# Altium PCB EEG_MASTER_REV2(2).PcbDoc
Units mm, origin at the board's own origin, x right, y up, seen from the top; angles counter-clockwise.
Board outline 76 x 41 mm, 2 copper layers (Top Layer, Bottom Layer); 42 components, 56 nets, 197 pads, 37 vias.
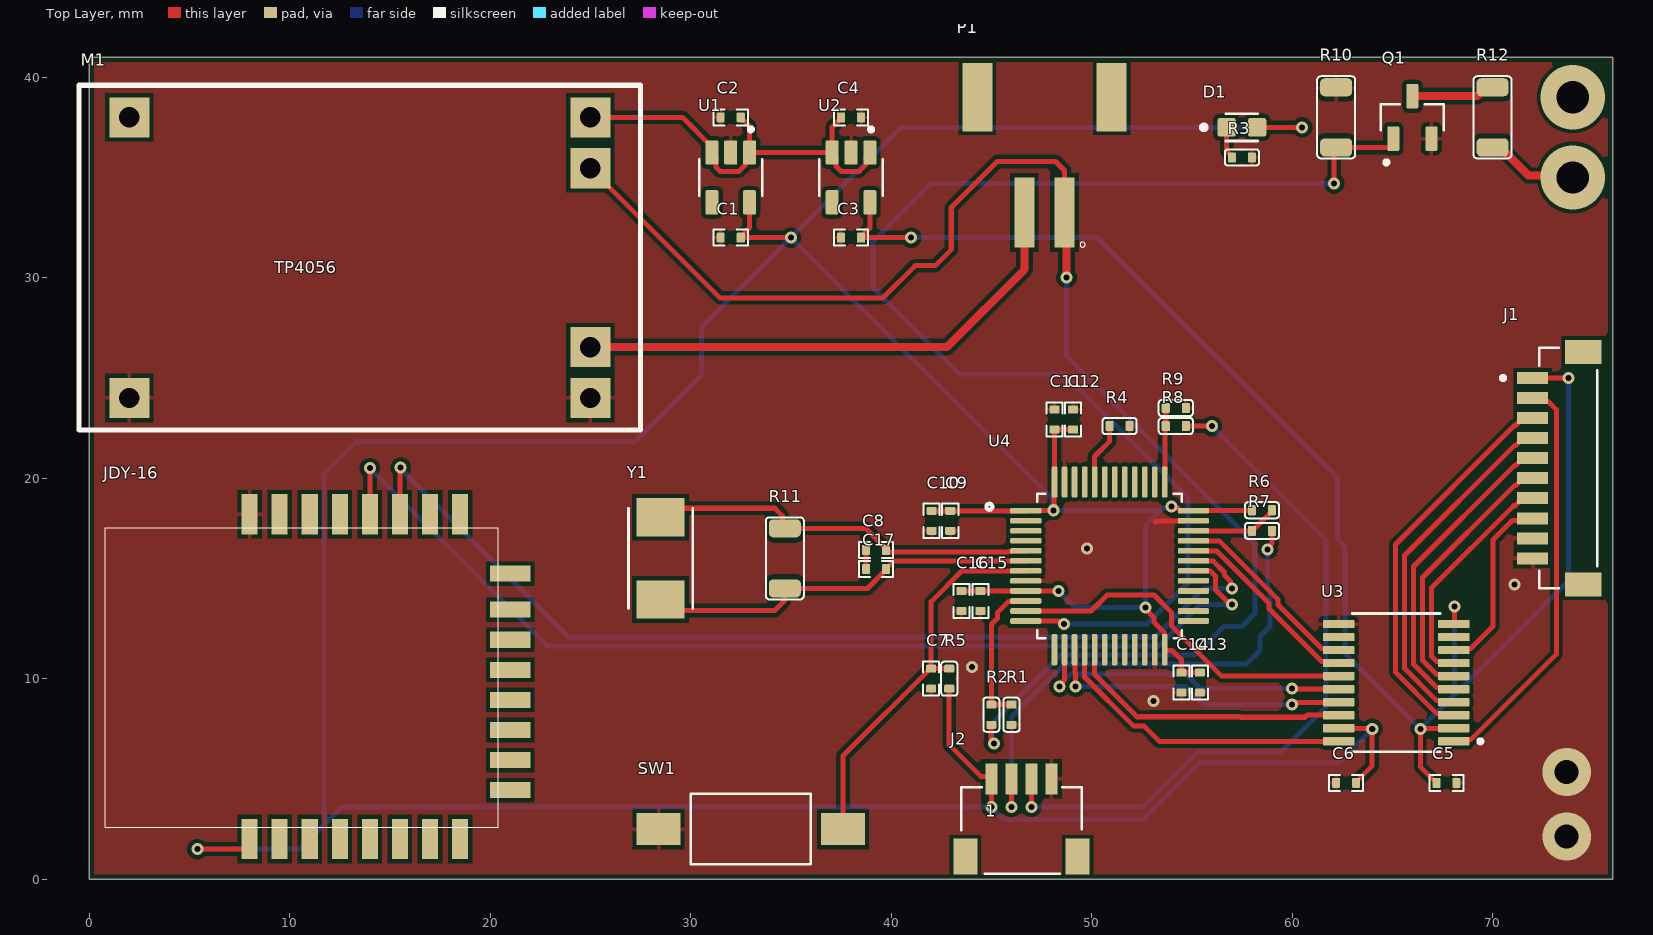
[diagram p0: Top Layer view]
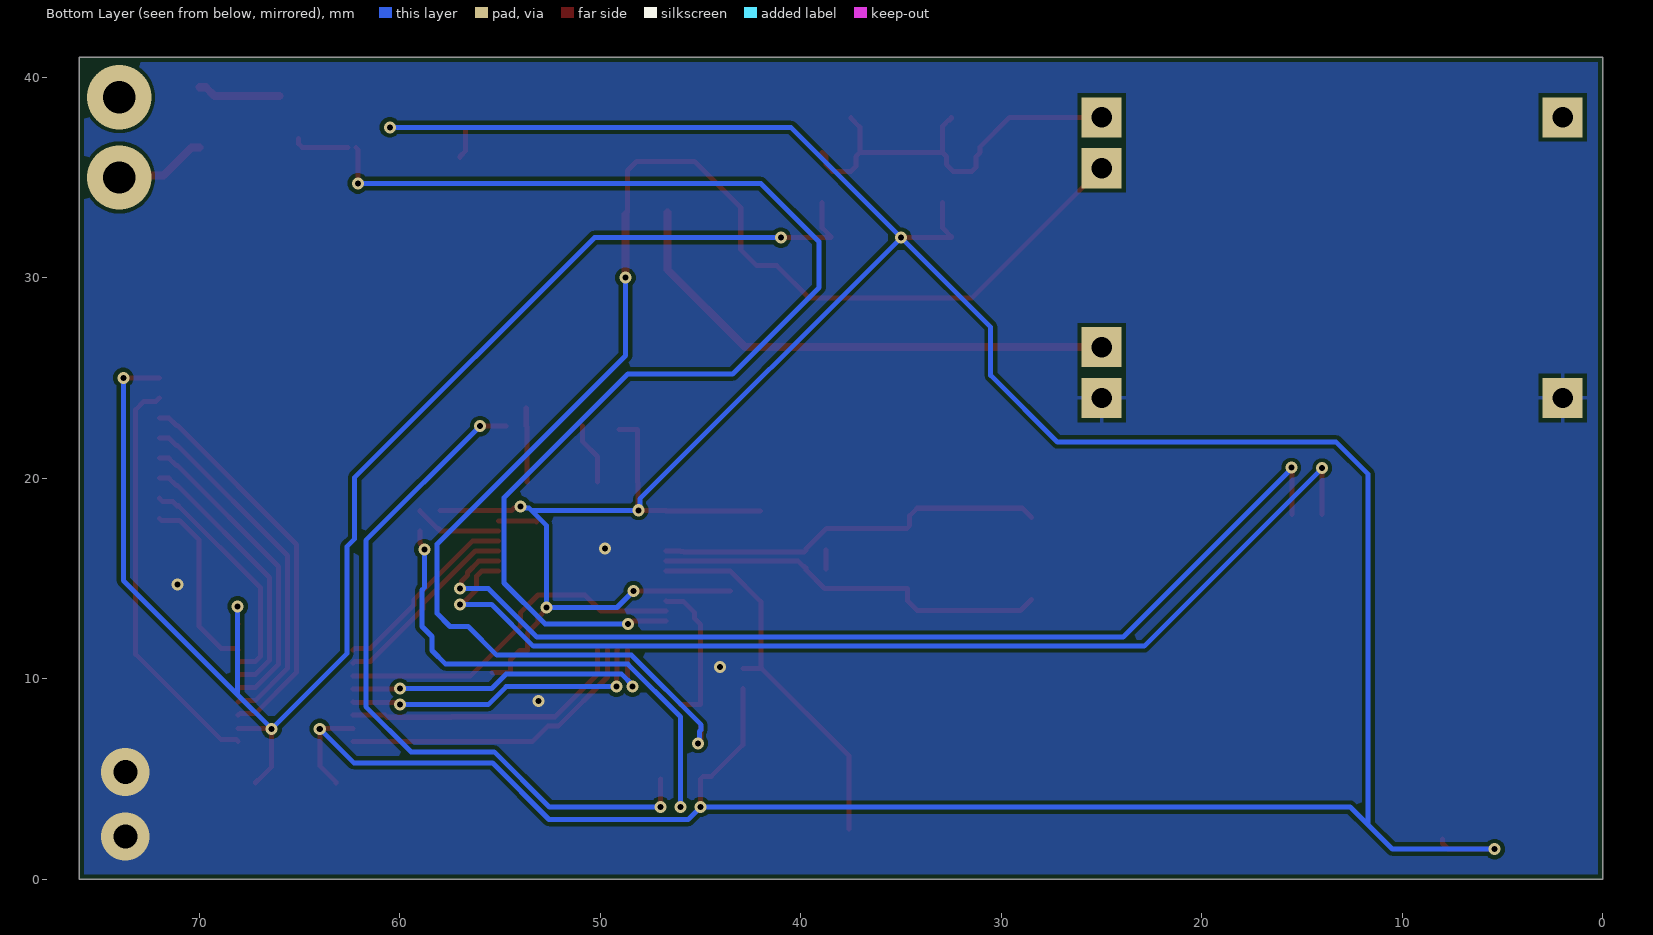
[diagram p1: Bottom Layer view, seen from below]
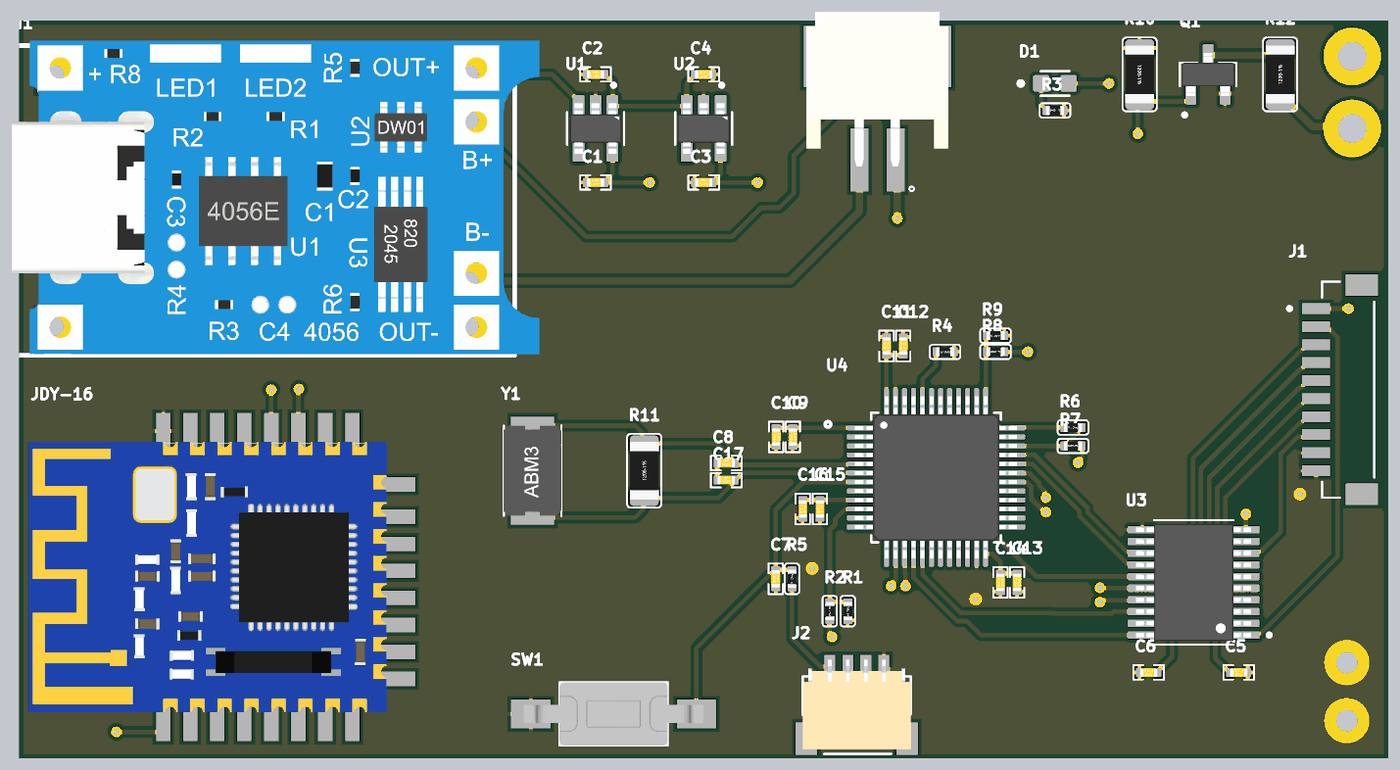
[diagram p2: 3D render of the assembled board from above, using the file's embedded part models]

## Layer stack, top to bottom
Top Solder: solder mask 0.0102, Solder Resist, Dk 3.5
Top Layer: signal copper 0.0356
Dielectric 1: dielectric 0.32, FR-4, Dk 4.8
Bottom Layer: signal copper 0.0356
Bottom Solder: solder mask 0.0102, Solder Resist, Dk 3.5

## Board outline
0,0 0,41 76,41 76,0

## Design rules (kind name [scope] priority, off if disabled: settings)
AcuteAngle [All] p1: minimum=3.50000000000000E+0001 checktracksonly=FALSE
BoardOutlineClearance "BoardOutlineClearance 1" [All] p1: gap=0.25 ignorepadtopadclearanceinfootprint=FALSE except(0: Arc-SplitContinuation Track-SplitContinuation SMDPad-SplitContinuation THPad-SplitContinuation Via-SplitContinuation Fill-SplitContinuation Poly-SplitContinuation Region-SplitContinuation Text-SplitContinuation) // Milling
BoardOutlineClearance "BoardOutlineClearance 2" [All] p2: gap=0.4 ignorepadtopadclearanceinfootprint=FALSE except(0: Arc-SplitContinuation Track-SplitContinuation SMDPad-SplitContinuation THPad-SplitContinuation Via-SplitContinuation Fill-SplitContinuation Poly-SplitContinuation Region-SplitContinuation Text-SplitContinuation) // V-Cut
Clearance "Clearance-1 1 Oz" [All] p1: gap=0.2 ignorepadtopadclearanceinfootprint=FALSE except(0.25: Arc-Hole Track-Hole SMDPad-Hole THPad-Hole Via-Hole Fill-Hole Poly-Hole Region-Hole Text-Hole) // Standart
Clearance "Clearance 3 Oz" [All] p2: gap=0.35 ignorepadtopadclearanceinfootprint=FALSE except(0.25: Arc-Hole Track-Hole SMDPad-Hole THPad-Hole Via-Hole Fill-Hole Poly-Hole Region-Hole Text-Hole)
Clearance "Clearance 2 Oz" [All] p3: gap=0.3 ignorepadtopadclearanceinfootprint=FALSE except(0.25: Arc-Hole Track-Hole SMDPad-Hole THPad-Hole Via-Hole Fill-Hole Poly-Hole Region-Hole Text-Hole)
Clearance "Clearance-2 1 Oz" [All] p4: gap=0.15 ignorepadtopadclearanceinfootprint=FALSE except(0.2: Arc-Fill Arc-Poly Track-Fill Track-Poly SMDPad-Fill SMDPad-Poly THPad-Fill THPad-Poly Via-Fill Via-Poly Fill-Fill Fill-Poly Poly-Poly; 0.25: Arc-Hole Track-Hole SMDPad-Hole THPad-Hole Via-Hole Fill-Hole Poly-Hole Region-Hole Text-Hole) // Advance
Clearance "Clearance-1 1/2 Oz" [All] p5: gap=0.125 ignorepadtopadclearanceinfootprint=FALSE except(0.2: Arc-Fill Arc-Poly Track-Fill Track-Poly SMDPad-SMDPad SMDPad-Fill SMDPad-Poly THPad-Fill THPad-Poly Via-Fill Via-Poly Fill-Fill Fill-Poly Poly-Poly Poly-Region Poly-Text; 0.25: Arc-Hole Track-Hole SMDPad-Hole THPad-Hole Via-Hole Fill-Hole Poly-Hole Region-Hole Text-Hole) // Standart
Clearance "Clearance-2 1/2 Oz" [All] p6: gap=0.1 ignorepadtopadclearanceinfootprint=FALSE except(0.15: Arc-Fill Arc-Poly Track-Fill Track-Poly SMDPad-SMDPad SMDPad-Fill SMDPad-Poly THPad-Fill THPad-Poly Via-Fill Via-Poly Fill-Fill Fill-Poly Poly-Poly Poly-Region Poly-Text; 0.25: Arc-Hole Track-Hole SMDPad-Hole THPad-Hole Via-Hole Fill-Hole Poly-Hole Region-Hole Text-Hole) // Advance
DiffPairsRouting "DiffPairsRouting 1 Oz" [All] p1: maxlimit=0.254 minlimit=0.2 mostfreqgap=0.254 toplayer_minwidth=0.2 toplayer_maxwidth=0.381 toplayer_prefwidth=0.381 bottomlayer_minwidth=0.2 bottomlayer_maxwidth=0.381 bottomlayer_prefwidth=0.381 maxuncoupledlength=12.7
DiffPairsRouting "DiffPairsRouting 1/2 Oz" [All] p2: maxlimit=0.254 minlimit=0.1 mostfreqgap=0.254 toplayer_minwidth=0.1 toplayer_maxwidth=0.381 toplayer_prefwidth=0.381 bottomlayer_minwidth=0.1 bottomlayer_maxwidth=0.381 bottomlayer_prefwidth=0.381 maxuncoupledlength=12.7
HoleSize "Minimum HoleSize" [IsPad] p1: absolutevalues=TRUE maxlimit=5.9 minlimit=0.6 maxpercent=80.000 minpercent=20.000
HoleSize "Minimum HoleSize VIA 1" [IsVia] p2: absolutevalues=TRUE maxlimit=5.9 minlimit=0.3 maxpercent=80.000 minpercent=20.000 // Standart
HoleSize "Minimum HoleSize VIA 2" [IsVia] p3: absolutevalues=TRUE maxlimit=5.9 minlimit=0.2 maxpercent=80.000 minpercent=20.000 // Advance
HoleToHoleClearance Hole2HoleClearance [All] p1: gap=0.25 allowstackedmicrovias=FALSE
MinimumAnnularRing "Minimum AR VIA Standart" [IsVia] p1: minimumring=0.15
MinimumAnnularRing "Minimum AR PAD Standart" [IsPAD] p2: minimumring=0.2
MinimumAnnularRing "Minimum AR VIA Advance" [IsVia] p3: minimumring=0.1
MinimumAnnularRing "Minimum AR PAD Advance" [IsPAD] p4: minimumring=0.15
MinimumSolderMaskSliver "SolderMask Bridge Standart" [All] p1: minsoldermaskwidth=0.15 // All Masks
MinimumSolderMaskSliver "SolderMask Bridge Advance" [All] p2: minsoldermaskwidth=0.1 // Mask LDI
PlaneClearance "PlaneClearance 3 Oz" [All] p1: clearance=0.35
PlaneClearance "PlaneClearance 2 Oz" [All] p2: clearance=0.3
PlaneClearance "PlaneClearance 1 Oz" [All] p3: clearance=0.2
PlaneClearance "PlaneClearance-1 1/2 Oz" [All] p4: clearance=0.2 // Standart
PlaneClearance "PlaneClearance-2 1/2 Oz" [All] p5: clearance=0.15 // Advance
PlaneConnect "TermalConnect 3 Oz" [All] p1: planeconnectstyle=Relief reliefexpansion=0.2 reliefentries=4 reliefconductorwidth=0.35 reliefairgap=0.35 // Standart
PlaneConnect "TermalConnect 2 Oz" [All] p2: planeconnectstyle=Relief reliefexpansion=0.2 reliefentries=4 reliefconductorwidth=0.3 reliefairgap=0.3 // Standart
PlaneConnect "TermalConnect-1 1 Oz" [All] p3: planeconnectstyle=Relief reliefexpansion=0.2 reliefentries=4 reliefconductorwidth=0.2 reliefairgap=0.2 // Standart
PlaneConnect "TermalConnect-2 1 Oz" [All] p4: pad.planeconnectstyle=Relief pad.reliefexpansion=0.15 pad.reliefentries=4 pad.reliefconductorwidth=0.2 pad.reliefairgap=0.2 via.planeconnectstyle=Direct via.reliefexpansion=0.15 via.reliefentries=4 via.reliefconductorwidth=0.15 via.reliefairgap=0.15 // Advance
PlaneConnect "TermalConnect-1 1/2 Oz" [All] p5: planeconnectstyle=Relief reliefexpansion=0.2 reliefentries=4 reliefconductorwidth=0.2 reliefairgap=0.2 // Standart
PlaneConnect "TermalConnect-2 1/2 Oz" [All] p6: pad.planeconnectstyle=Relief pad.reliefexpansion=0.15 pad.reliefentries=4 pad.reliefconductorwidth=0.15 pad.reliefairgap=0.15 via.planeconnectstyle=Direct via.reliefexpansion=0.15 via.reliefentries=4 via.reliefconductorwidth=0.15 via.reliefairgap=0.15 // Advance
PolygonConnect "PolygonConnect-1 1 Oz" [All] p1: thpad.connectstyle=Relief thpad.reliefconductorwidth=0.2 thpad.reliefentries=4 thpad.polygonreliefangle="90 Angle" thpad.airgapwidth=0.2 smdpad.connectstyle=Relief smdpad.reliefconductorwidth=0.2 smdpad.reliefentries=4 smdpad.polygonreliefangle="90 Angle" smdpad.airgapwidth=0.2 via.connectstyle=Direct via.reliefconductorwidth=0.254 via.reliefentries=4 via.polygonreliefangle="90 Angle" via.airgapwidth=0.254 // Standart
PolygonConnect "PolygonConnect 3 Oz" [All] p2: thpad.connectstyle=Relief thpad.reliefconductorwidth=0.35 thpad.reliefentries=4 thpad.polygonreliefangle="90 Angle" thpad.airgapwidth=0.35 smdpad.connectstyle=Relief smdpad.reliefconductorwidth=0.35 smdpad.reliefentries=4 smdpad.polygonreliefangle="90 Angle" smdpad.airgapwidth=0.35 via.connectstyle=Direct via.reliefconductorwidth=0.254 via.reliefentries=4 via.polygonreliefangle="90 Angle" via.airgapwidth=0.254
PolygonConnect "PolygonConnect 2 Oz" [All] p3: thpad.connectstyle=Relief thpad.reliefconductorwidth=0.3 thpad.reliefentries=4 thpad.polygonreliefangle="90 Angle" thpad.airgapwidth=0.3 smdpad.connectstyle=Relief smdpad.reliefconductorwidth=0.3 smdpad.reliefentries=4 smdpad.polygonreliefangle="90 Angle" smdpad.airgapwidth=0.3 via.connectstyle=Direct via.reliefconductorwidth=0.254 via.reliefentries=4 via.polygonreliefangle="90 Angle" via.airgapwidth=0.254
PolygonConnect "PolygonConnect-2 1 Oz" [All] p4: thpad.connectstyle=Relief thpad.reliefconductorwidth=0.15 thpad.reliefentries=4 thpad.polygonreliefangle="90 Angle" thpad.airgapwidth=0.15 smdpad.connectstyle=Relief smdpad.reliefconductorwidth=0.15 smdpad.reliefentries=4 smdpad.polygonreliefangle="90 Angle" smdpad.airgapwidth=0.15 via.connectstyle=Direct via.reliefconductorwidth=0.254 via.reliefentries=4 via.polygonreliefangle="90 Angle" via.airgapwidth=0.254 // Advance
PolygonConnect "PolygonConnect-1 1/2 Oz" [All] p5: thpad.connectstyle=Relief thpad.reliefconductorwidth=0.15 thpad.reliefentries=4 thpad.polygonreliefangle="90 Angle" thpad.airgapwidth=0.2 smdpad.connectstyle=Relief smdpad.reliefconductorwidth=0.2 smdpad.reliefentries=4 smdpad.polygonreliefangle="90 Angle" smdpad.airgapwidth=0.2 via.connectstyle=Direct via.reliefconductorwidth=0.254 via.reliefentries=4 via.polygonreliefangle="90 Angle" via.airgapwidth=0.254 // Standart
PolygonConnect "PolygonConnect-2 1/2 Oz" [All] p6: thpad.connectstyle=Relief thpad.reliefconductorwidth=0.125 thpad.reliefentries=4 thpad.polygonreliefangle="90 Angle" thpad.airgapwidth=0.15 smdpad.connectstyle=Relief smdpad.reliefconductorwidth=0.125 smdpad.reliefentries=4 smdpad.polygonreliefangle="90 Angle" smdpad.airgapwidth=0.15 via.connectstyle=Direct via.reliefconductorwidth=0.254 via.reliefentries=4 via.polygonreliefangle="90 Angle" via.airgapwidth=0.254 // Advance
RoutingCorners [All] p1 off: cornerstyle=45-Degree minsetback=2.54 maxsetback=2.54
RoutingVias [All] p1: holewidth=0.3 width=0.6 viastyle="Through Hole" minholewidth=0.2 minwidth=0.4 maxholewidth=5.9 maxwidth=6.4
SilkToSilkClearance Silk2SilkClearance [All] p1 off: silktosilkclearance=0.15
SilkToSolderMaskClearance Silk2SolderMaskClearance [IsPad] p1 off: minsilkscreentomaskgap=0.15 clearancetoexposedcopper=TRUE
SolderMaskExpansion SolderMaskExpansion-1 [All] p1: expansion=0.05 istentingtop=FALSE // Standart
SolderMaskExpansion "SolderMaskExpansion LDI" [All] p2: expansion=0.025 istentingtop=FALSE // Advance
UnRoutedNet [All] p1: checkbadconnections=TRUE
Width "Width 2 Oz" [All] p1: maxlimit=10 minlimit=0.25 preferedwidth=0.25 minimp=50.000000 maximp=50.000000 favimp=50.000000 checkconnectedcopper=TRUE
Width "Width 3 Oz" [All] p2: maxlimit=10 minlimit=0.35 preferedwidth=0.4 checkconnectedcopper=TRUE
Width "Width 1 Oz" [All] p3: maxlimit=10 minlimit=0.15 preferedwidth=0.2 checkconnectedcopper=TRUE
Width "Width 1/2 Oz" [All] p4: maxlimit=10 minlimit=0.1 preferedwidth=0.125 checkconnectedcopper=TRUE
20 further rules are at their usual default settings.

## Classes and differential pairs
component class U_STM32: C5 C6 C7 C8 C9 C10 C11 C12 C13 C14 C15 C16 C17 D1 JDY-16 Q1 R3 R4 R5 R6 R7 R8 R9 R10 R11 R12 SW1 U3 U4 Y1
component class U_Power: C1 C2 C3 C4 M1 P1 R1 R2 U1 U2
component class U_Connectors: J1 J2

## Components (designator, comment, footprint, x,y, rotation, side; value= is the part's Value field where it differs from the comment)
C1 "1uF" "C 0402(1005)x0.5" 32,32 r0 top
C2 "1uF" "C 0402(1005)x0.5" 32,38 r0 top
C3 "1uF" "C 0402(1005)x0.5" 38,32 r0 top
C4 "1uF" "C 0402(1005)x0.5" 38,38 r180 top
C5 "7pF" "C 0402(1005)x0.5" 67.7,4.8 r180 top
C6 "6pF" "C 0402(1005)x0.5" 62.7,4.8 r180 top
C7 "1uF" "C 0402(1005)x0.5" 42,10 r270 top
C8 "20pF" "C 0402(1005)x0.5" 39.25,16.425 r0 top
C9 "0.1uF" "C 0402(1005)x0.5" 42.95,17.875 r270 top
C10 "1uF" "C 0402(1005)x0.5" 42.025,17.875 r270 top
C11 "0.1uF" "C 0402(1005)x0.5" 48.15,22.925 r90 top
C12 "1uF" "C 0402(1005)x0.5" 49.075,22.925 r90 top
C13 "0.1uF" "C 0402(1005)x0.5" 55.4,9.8 r270 top
C14 "1uF" "C 0402(1005)x0.5" 54.475,9.8 r270 top
C15 "0.1uF" "C 0402(1005)x0.5" 44.45,13.875 r270 top
C16 "1uF" "C 0402(1005)x0.5" 43.5,13.875 r270 top
C17 "20pF" "C 0402(1005)x0.5" 39.25,15.475 r0 top
D1 "0603" LEDC1608X65N 57.5,37.5 r0 top
J1 "BM10B-SRSS-TB(LF)(SN)" JST_BM10B-SRSS-TB(LF)(SN) 74.525,20.5 r270 top
J2 "665104131822" 665104131822 46.5,5 r0 top
JDY-16 "JDY-16" JDY-16 20.4,17.54 r180 top
M1 "TP4056Module" TP4056Module -0.5,22.4 r0 top
P1 "S2B-PH-SM4-TB" JST_S2B-PH-SM4-TB 47.65,33.25 r0 top
Q1 "BSS138" SOT95P240X111-3N 66,38 r90 top
R1 "100KOm" "R 0402(1005)-1%" 46,8.2 r270 top
R2 "33KOm" "R 0402(1005)-1%" 45,8.2 r90 top
R3 "2KOm" "R 0402(1005)-1%" 57.5,36 r0 top
R4 "100KOm" "R 0402(1005)-1%" 51.4,22.6 r180 top
R5 "10KOm" "R 0402(1005)-1%" 42.9,10 r270 top
R6 "10KOm" "R 0402(1005)-1%" 58.5,18.4 r180 top
R7 "20Om" "R 0402(1005)-1%" 58.5,17.375 r0 top
R8 "20Om" "R 0402(1005)-1%" 54.2,22.6 r0 top
R9 "10KOm" "R 0402(1005)-1%" 54.2,23.5 r180 top
R10 "?" "R 1206(3216)-1%" 62.2,38 r270 top
R11 "1MOm" "R 1206(3216)-1%" 34.7,16 r90 top
R12 "?" "R 1206(3216)-1%" 70,38 r90 top
SW1 "Button" SW_1437566-3 33,2.5 r0 top
U1 "RT9013-33GB" SOT94P279X129-5N 32,35 r270 top
U2 "RT9013-18GB" SOT94P279X129-5N 38,35 r270 top
U3 "TXS0108EPWR" SOP65P640X120-20N 65.2,9.8 r180 top
U4 "STM32F103C8T6" QFP50P900X900X160-48N 50.9,15.625 r0 top
Y1 "ABM3-8.000MHZ" XTAL_ABM3-8.000MHZ-D2Y 28.5,16 r90 top

## Footprints (in the part's own frame and the unit in brackets; to place one, negate y for a bottom-side part, rotate by r counter-clockwise, add the part's x,y. Pads: shape width x height; smd on the part's side, far side on the other; paste and mask are expansions set on the pad)
665104131822 [mm]
  rect 0.6x1.55 smd: 1(-1.5,0) 2(-0.5,0) 3(0.5,0) 4(1.5,0)
  rect 1.2x1.8 smd: Z1(-2.8,-3.875) Z2(2.8,-3.875)
  silkscreen extent -3,-4.73 3,-0.43, body extent -3,-4.46 3,0.54, height 3.07
"C 0402(1005)x0.5" [mm]
  rrect25% 0.4x0.5 smd mask+0.102: 1(-0.5,0) 2(0.5,0)
  silkscreen extent -0.85,-0.4 0.85,0.4, body extent -0.5,-0.25 0.5,0.25, height 0.51
JDY-16 [mm] "JDY16"
  rect 0.8x2 smd: 1(12.4,15.54) 2(10.9,15.54) 3(9.4,15.54) 4(7.9,15.54) 5(6.4,15.54) 6(4.9,15.54) 7(3.4,15.54) 8(1.9,15.54) 17(1.9,-0.66) 18(3.4,-0.66) 19(4.9,-0.66) 20(6.4,-0.66) 21(7.9,-0.66) 22(9.4,-0.66) 23(10.9,-0.66) 24(12.4,-0.66)
  rect 2x0.8 smd: 9(-0.6,13.1) 10(-0.6,11.6) 11(-0.6,10.1) 12(-0.6,8.6) 13(-0.6,7.1) 14(-0.6,5.6) 15(-0.6,4.1) 16(-0.6,2.3)
  silkscreen extent 0,0 19.6,14.94, body extent 0,-0.07 19.89,14.94, height 2.08
JST_BM10B-SRSS-TB(LF)(SN) [mm]
  rect 0.6x1.55 smd: 1(-4.5,-2.525) 2(-3.5,-2.525) 3(-2.5,-2.525) 4(-1.5,-2.525) 5(-0.5,-2.525) 6(0.5,-2.525) 7(1.5,-2.525) 8(2.5,-2.525) 9(3.5,-2.525) 10(4.5,-2.525)
  rect 1.2x1.8 smd: S1(-5.8,0) S2(5.8,0)
  silkscreen extent -6,-4.1 6,0.7
JST_S2B-PH-SM4-TB [mm]
  rect 1x3.5 smd: 1(1,0) 2(-1,0)
  rect 1.5x3.4 smd: P1(3.35,5.75) P2(-3.35,5.75)
  silkscreen extent 1.77,-1.73 2.03,-1.47, body extent -3.96,-0.36 3.94,8.24, height 5.5
LEDC1608X65N [mm]
  rrect25% 0.91x0.93 smd: A(0.76,0) C(-0.76,0)
  silkscreen extent -2.02,-0.68 0.8,0.68
QFP50P900X900X160-48N [mm]
  rrect50% 1.56x0.28 smd: 1(-4.18,2.75) 2(-4.18,2.25) 3(-4.18,1.75) 4(-4.18,1.25) 5(-4.18,0.75) 6(-4.18,0.25) 7(-4.18,-0.25) 8(-4.18,-0.75) 9(-4.18,-1.25) 10(-4.18,-1.75) 11(-4.18,-2.25) 12(-4.18,-2.75) 25(4.18,-2.75) 26(4.18,-2.25) 27(4.18,-1.75) 28(4.18,-1.25) 29(4.18,-0.75) 30(4.18,-0.25) 31(4.18,0.25) 32(4.18,0.75) 33(4.18,1.25) 34(4.18,1.75) 35(4.18,2.25) 36(4.18,2.75)
  rrect50% 0.28x1.56 smd: 13(-2.75,-4.18) 14(-2.25,-4.18) 15(-1.75,-4.18) 16(-1.25,-4.18) 17(-0.75,-4.18) 18(-0.25,-4.18) 19(0.25,-4.18) 20(0.75,-4.18) 21(1.25,-4.18) 22(1.75,-4.18) 23(2.25,-4.18) 24(2.75,-4.18) 37(2.75,4.18) 38(2.25,4.18) 39(1.75,4.18) 40(1.25,4.18) 41(0.75,4.18) 42(0.25,4.18) 43(-0.25,4.18) 44(-0.75,4.18) 45(-1.25,4.18) 46(-1.75,4.18) 47(-2.25,4.18) 48(-2.75,4.18)
  silkscreen extent -6.15,-3.6 3.6,3.6, body extent -4.5,-4.5 4.5,4.5, height 1.6
"R 0402(1005)-1%" [mm]
  rrect25% 0.4x0.5 smd mask+0.102: 1(-0.5,0) 2(0.5,0)
  silkscreen extent -0.85,-0.4 0.85,0.4, body extent -0.5,-0.25 0.5,0.25, height 0.19
"R 1206(3216)-1%" [mm]
  rrect50% 0.9x1.6 smd mask+0.102: 1(-1.5,0) 2(1.5,0)
  silkscreen extent -2.05,-0.95 2.05,0.95, body extent -1.6,-0.8 1.6,0.8, height 0.6
SOP65P640X120-20N [mm]
  rrect25% 1.57x0.41 smd: 1(-2.87,2.925) 2(-2.87,2.275) 3(-2.87,1.625) 4(-2.87,0.975) 5(-2.87,0.325) 6(-2.87,-0.325) 7(-2.87,-0.975) 8(-2.87,-1.625) 9(-2.87,-2.275) 10(-2.87,-2.925) 11(2.87,-2.925) 12(2.87,-2.275) 13(2.87,-1.625) 14(2.87,-0.975) 15(2.87,-0.325) 16(2.87,0.325) 17(2.87,0.975) 18(2.87,1.625) 19(2.87,2.275) 20(2.87,2.925)
  silkscreen extent -4.29,-3.45 2.2,3.45, body extent -3.2,-3.25 3.2,3.25, height 1.2
SOT94P279X129-5N [mm]
  rrect25% 1.22x0.65 smd: 1(-1.245,0.94) 2(-1.245,0) 3(-1.245,-0.94) 4(1.245,-0.94) 5(1.245,0.94)
  silkscreen extent -2.5,-1.58 0.9,1.58, body extent -1.4,-1.45 1.4,1.45, height 1.3
SOT95P240X111-3N [mm]
  rrect25% 1.23x0.6 smd: 1(-1.06,0.95) 2(-1.06,-0.95) 3(1.06,0)
  silkscreen extent -2.35,-1.57 0.65,1.57, body extent -1.2,-1.46 1.2,1.46, height 1.18
SW_1437566-3 [mm]
  rect 2.18x1.6 smd: 1(-4.6,0) 2(4.6,0)
  silkscreen extent -3,-1.75 3,1.75, body extent -4.98,-1.75 4.98,1.75, height 4.39
TP4056Module [mm]
  rect 2x2 hole 1.016: 1(2.5,15.6) 2(2.5,1.6) 3(25.5,15.6) 4(25.5,13.06) 5(25.5,4.14) 6(25.5,1.6)
  silkscreen extent 0,0 28,17.2, body extent 0.09,0.06 29.39,17.46, height 4.14
XTAL_ABM3-8.000MHZ-D2Y [mm]
  rect 1.9x2.4 smd: 1(-2.05,0) 2(2.05,0)
  silkscreen extent -2.5,-1.6 2.5,1.6, body extent -2.5,-1.6 2.5,1.6, height 1.3

## Part data
C1 C2 C3 C4 C5 C6 C7 C8 C9 C10 C11 C12 C13 C14 C15 C16 C17: library part "C 0402    16V X5R - 0*", "SMD 0402     16V X5R 10%", Manufacturer=Samsung, Package=0402, Package-mm=1005, TempCo=X5R, Temperature Range="-55°C ~ +85°C", Tolerance %=±20%, ComponentLink1Description="Datasheet Link", ComponentLink1URL=https://store.comet.bg/download-file.php?id=11, Mount Type=SMT, Published=07.04.2019, Publisher=Hefest, RoHS=Y, Supplier 1=Comet, Technology="Ceramic  MLCC", TYPE=Capacitors, VDC=16V
D1: library part LTW-C191TLA, "CHIP LED WHITE 0603 TOP VIEW", Package=None, Availability=Unavailable, MP=LTW-C191TLA, Price=None
J1: "Connector Header Surface Mount 10 position 0.039 (1.00mm)", Package=None, Availability="In Stock", Check_prices=https://www.snapeda.com/parts/BM10B-SRSS-TB(LF)(SN)/JST+Sales+America+Inc./view-part/?ref=eda, MF="JST Sales", MP=BM10B-SRSS-TB(LF)(SN), Price=None, SnapEDA_Link=https://www.snapeda.com/parts/BM10B-SRSS-TB(LF)(SN)/JST+Sales+America+Inc./view-part/?ref=snap
J2: "Connector Header Surface Mount, Right Angle 4 position 0.039 (1.00mm)", Package=None, Availability=Unavailable, MF="Wurth Electronics", MP=665104131822, Price=None, SnapEDA_Link=https://www.snapeda.com/parts/665104131822/Wurth%20Electronics%20Inc./view-part/2395929/?ref=snap
M1: "TP4056 Module for managing battery charging"
P1: "Connector Header Surface Mount, Right Angle 2 position 0.079 (2.00mm)", Package=None, Availability="In Stock", Check_prices=https://www.snapeda.com/parts/S2B-PH-SM4-TB/JST+Sales+America+Inc./view-part/?ref=eda, MF="JST Sales", MP=S2B-PH-SM4-TB, Price=None, Purchase-URL=https://pricing.snapeda.com/search/part/S2B-PH-SM4-TB/?ref=eda, SnapEDA_Link=https://www.snapeda.com/parts/S2B-PH-SM4-TB/JST+Sales+America+Inc./view-part/?ref=snap
Q1: "N-Channel 50 V 220mA (Ta) 350mW (Ta) Surface Mount SOT-23-3", Package="SOT-23-3 Motorola", Check_prices=https://www.snapeda.com/parts/BSS138/Onsemi/view-part/?ref=eda, MF=onsemi, MP=BSS138, SnapEDA_Link=https://www.snapeda.com/parts/BSS138/Onsemi/view-part/?ref=snap
R1 R2 R3 R4 R5 R6 R7 R8 R9: library part "R 0402-1%", "SMD 0402 0.063W 1%   50V", Manufacturer=YAGEO, Package=0402, Package-mm=1005, Power=0.0625W, Supplier Part Number 1="R0402 1.0K 1% YAG/ASJ", TempCo=±100ppm/°C, Temperature Range="-55°C ~ +155°C", Tolerance %=±1%, Value Code=1001, ComponentLink1Description="Datasheet Link", ComponentLink1URL=https://store.comet.bg/download-file.php?id=1224, Mount Type=SMT, Price=0.015, Published=07.04.2019, Publisher=Hefest, RoHS=Y, Supplier 1=Comet, Technology="Thick film", TYPE=Resistor, VDC=50V
R10 R11 R12: library part "R 1206-1%", "SMD 1206 0.25W   1% 200V", Manufacturer=YAGEO, Package=1206, Package-mm=3216, Power=0.25W, Supplier Part Number 1="R1206 1.0K 1% YAG/ASJ", TempCo=±100ppm/°C, Temperature Range="-55°C ~ +155°C", Tolerance %=±1%, Value Code=1001, ComponentLink1Description="Datasheet Link", ComponentLink1URL=https://store.comet.bg/download-file.php?id=1224, Mount Type=SMT, Price=0.069, Published=07.04.2019, Publisher=Hefest, RoHS=Y, Supplier 1=Comet, Technology="Thick film", TYPE=Resistor, VDC=200V
SW1: library part 1437566-3, "Switch Tactile OFF (ON) SPST Rectangular Button Gull Wing 0.05A 12VDC SMD Loose Piece", Package=None, Availability=Unavailable, MP=1437566-3, Price=None
U1: "Linear Voltage Regulator IC 1 Output 500mA SOT-23-5", Package="SOT-23-5 Richtek", Availability=Unavailable, MF="Richtek USA", MP=RT9013-33GB, Price=None, SnapEDA_Link=https://www.snapeda.com/parts/RT9013-33GB/Richtek%20USA%20Inc./view-part/553199/?ref=snap
U2: library part RT9013-33GB, "Linear Voltage Regulator IC 1 Output 500mA SOT-23-5", Package="SOT-23-5 Richtek", Availability=Unavailable, MF="Richtek USA", MP=RT9013-33GB, Price=None, SnapEDA_Link=https://www.snapeda.com/parts/RT9013-33GB/Richtek%20USA%20Inc./view-part/553199/?ref=snap
U3: "8-bit bidirectional voltage-level shifter for open-drain and push-pull application", Package="TSSOP-20 Texas Instruments", Availability="In Stock", Check_prices=https://www.snapeda.com/parts/TXS0108EPWR/Texas+Instruments/view-part/?ref=eda, MF="Texas Instruments", MP=TXS0108EPWR, Price=None, Purchase-URL=https://pricing.snapeda.com/search/part/TXS0108EPWR/?ref=eda, SnapEDA_Link=https://www.snapeda.com/parts/TXS0108EPWR/Texas+Instruments/view-part/?ref=snap
U4: "ARM® Cortex®-M3 STM32F1 Microcontroller IC 32-Bit 72MHz 64KB (64K x 8) FLASH 48-LQFP (7x7)", Package="LQFP-48 STMicroelectronics", Check_prices=https://www.snapeda.com/parts/STM32F103C8T6/STMicroelectronics/view-part/?ref=eda, MF=STMicroelectronics, MP=STM32F103C8T6, SnapEDA_Link=https://www.snapeda.com/parts/STM32F103C8T6/STMicroelectronics/view-part/?ref=snap
Y1: library part ABM3-8.000MHZ-D2Y, "8 MHz Â±20ppm Crystal 18pF 140 Ohms 2-SMD, No Lead", Package="SMD-2 Abracon", Availability="In Stock", Check_prices=https://www.snapeda.com/parts/ABM3-8.000MHZ-D2Y/Abracon/view-part/?ref=eda, MF=Abracon, MP=ABM3-8.000MHZ-D2Y, Price=None, Purchase-URL=https://pricing.snapeda.com/search/part/ABM3-8.000MHZ-D2Y/?ref=eda, SnapEDA_Link=https://www.snapeda.com/parts/ABM3-8.000MHZ-D2Y/Abracon/view-part/?ref=snap

## Via types
v1: diameter 0.6, hole 0.3, Top Layer to Bottom Layer, 33 vias
v2: diameter 2.4, hole 1.2, Top Layer to Bottom Layer, 2 vias
v3: diameter 3.2, hole 1.6, Top Layer to Bottom Layer, 2 vias

## Nets (pads, with @x,y where several pads share a name; then routed paths per layer and width w, separated by ;. In a path a pad name is that pad's centre, name@x,y a point inside that pad or via, vN(x,y) a via of type N, cw(c..) or ccw(c..) an arc to the next point about the centre after c; other vN are vias at no path point)
+1.8: C3.2 C5.2 J1.1 U2.5 U3.2 U3.10 | length 77.3
  Top Layer w0.25: U2.5 38.94,32.49 38.5,32.05 C3.2 v1(41,32) ; C5.2 67.2,4.85 67.125,4.925 67.075,4.925 66.4,5.6 v1(66.4,7.5) 66.413,7.513 68.058,7.513 U3.2 ; U3.10 68.1,12.755 v1(68.1,13.6) ; J1.1 v1(73.8,25)
  Bottom Layer w0.25: v1(41,32) 50.3,32 62.26,20.04 62.26,16.977 62.65,16.586 62.65,11.25 v1(66.4,7.5) 68.1,9.2 ; v1(68.1,13.6) 68.1,9.2 ; v1(73.8,25) 73.8,14.9 68.1,9.2
+3.3: C1.2 C6.1 C9.1 C10.1 C11.1 C12.1 C13.1 C14.1 C15.1 C16.1 D1.A J2.1 JDY-16.1 R5.2 R6.2 U1.5 U3.19 U4.1 U4.9 U4.24 U4.36 U4.48 | length 217.8
  Top Layer w0.25: v1(5.4,1.5) 7.725,1.5 8,1.775 JDY-16.1 ; U1.5 32.94,32.49 32.5,32.05 C1.2 v1(35,32) ; C10.1 C9.1 U4.1 ; R5.2 42.9,6.7 44.471,5.129 44.871,5.129 J2.1 v1(45,3.6) ; C16.1 C15.1 U4.9 v1(48.35,14.375) ; U4.1 46.735,18.39 47.415,18.39 47.425,18.4 v1(48.1,18.4) 48.135,18.435 48.135,19.79 U4.48 C11.1 C12.1 ; v1(52.7,13.55) 52.7,13.455 53.108,13.048 53.108,12.826 53.615,12.319 53.615,12.26 53.635,12.24 53.635,11.46 U4.24 53.65,11.416 53.665,11.401 54.019,11.401 54.475,10.945 C14.1 C13.1 ; v1(53.981,18.588) 54.048,18.521 54.294,18.521 54.425,18.39 U4.36@55.08,18.39 ; U4.36@55.08,18.4 R6.2 ; D1.A v1(60.5,37.5) ; U3.19 62.343,7.513 63.987,7.513 v1(64,7.5) 64,5.65 63.2,4.85 C6.1
  Bottom Layer w0.25: v1(5.4,1.5) 10.5,1.5 11.7,2.7 ; v1(48.35,14.375) 49.175,13.55 v1(52.7,13.55) 52.7,17.65 53.45,18.4 ; v1(53.981,18.588) 53.914,18.521 53.571,18.521 53.45,18.4 ; v1(60.5,37.5) 40.5,37.5 v1(35,32) ; v1(64,7.5) 62.3,5.8 55.386,5.8 52.561,2.975 45.625,2.975 v1(45,3.6) 12.6,3.6 11.7,2.7 ; 11.7,2.7 11.7,20.2 13.3,21.8 27.2,21.8 30.534,25.134 30.534,27.534 v1(35,32) ; v1(35,32) 48.033,18.967 48.033,18.467 v1(48.1,18.4) 53.45,18.4
\: U3.14 U4.32 | length 9.7
  Top Layer w0.25: U4.32 56.235,16.375 58.858,13.752 58.858,13.478 61.48,10.855 62.25,10.855 U3.14
"CLK 1.8": J1.4 U3.4 | length 17.6
  Top Layer w0.25: U3.4 67.99,8.905 67.22,8.905 65.61,10.515 65.61,16.145 71.09,21.625 71.15,21.625 71.525,22 J1.4
"CLK 3.3": U3.17 U4.15 | length 15.4
  Top Layer w0.25: U4.15 49.165,11.43 49.165,10.31 49.2,10.275 v1(49.2,9.6) ; v1(60,8.7) 60.095,8.7 60.207,8.812 62.318,8.812 U3.17
  Bottom Layer w0.25: v1(49.2,9.6) 54.7,9.6 55.6,8.7 v1(60,8.7)
"CS 1.8": J1.5 U3.5 | length 15.6
  Top Layer w0.25: U3.5 67.99,9.555 67.22,9.555 66.06,10.715 66.06,15.595 71.09,20.625 71.15,20.625 71.525,21 J1.5
"CS 3.3": U3.16 U4.14 | length 16.5
  Top Layer w0.25: v1(48.4,9.6) 48.4,9.695 48.65,9.945 U4.14 ; v1(60,9.5) 60.013,9.487 62.318,9.487 U3.16
  Bottom Layer w0.25: v1(48.4,9.6) 48.4,9.684 48.941,10.225 54.711,10.225 55.436,9.5 v1(60,9.5)
"DIOD -": R12.1 | length 4.6
  Top Layer w0.4: R12.1 70.4,36.5 71.8,35.1 73.9,35.1 v3(74,35)
"FCLK 1.8": J1.6 U3.6 | length 13.6
  Top Layer w0.25: U3.6 67.99,10.205 67.22,10.205 66.51,10.915 66.51,15.045 71.09,19.625 71.15,19.625 71.525,20 J1.6
"FCLK 3.3": U3.15 U4.11 | length 18
  Top Layer w0.25: U4.11 49.975,13.375 50.775,14.175 53.109,14.175 53.975,13.309 53.975,13.061 53.975,12.641 56.491,10.125 U3.15
GND: C1.1 C2.1 C3.1 C4.1 C5.1 C6.2 C7.2 C9.2 C10.2 C11.2 C12.2 C13.2 C14.2 C15.2 C16.2 J1.9 J1.10 J2.4 JDY-16.24 M1.2 M1.6 Q1.2 R1.2 R3.2 R4.1 R9.1 R10.1 SW1.1 U1.2 U2.2 U3.11 U4.8 U4.23 U4.35 U4.47 | length 1.9
  Top Layer w0.25: 53.2,17.825 53.25,17.875 U4.35
  other v1: 53.1,8.875 44.025,10.575 71.1,14.7 49.775,16.5
  other v2: 73.7,2.125 73.7,5.35
"INT1 1.8": J1.7 U3.7 | length 11.6
  Top Layer w0.25: U3.7 67.99,10.855 67.22,10.855 66.96,11.115 66.96,14.527 71.058,18.625 71.119,18.625 71.319,18.825 71.825,18.825 J1.7
"INT2 1.8": J1.8 U3.8 | length 9.2
  Top Layer w0.25: U3.8 68.15,11.505 68.92,11.505 70.025,12.61 70.025,16.925 70.997,17.897 71.897,17.897 J1.8
"INT2 3.3": U3.13 U4.33 | length 9.7
  Top Layer w0.25: U4.33 56.371,16.875 59.308,13.939 59.308,13.678 61.48,11.505 62.25,11.505 U3.13
"MISO 1.8": J1.2 U3.1 | length 20.5
  Top Layer w0.25: U3.1 68.15,6.955 68.92,6.955 73.179,11.214 73.179,23.421 72.775,23.825 72.175,23.825 J1.2
"MISO 3.3": U3.20 U4.16 | length 15.4
  Top Layer w0.25: U4.16 49.65,10.083 52.083,7.65 52.606,7.65 53.381,6.875 U3.20
"MOSI 1.8": J1.3 U3.3 | length 19.6
  Top Layer w0.25: U3.3 67.99,8.255 67.22,8.255 65.16,10.315 65.16,16.695 71.09,22.625 71.15,22.625 71.525,23 J1.3
"MOSI 3.3": U3.18 U4.17 | length 14.3
  Top Layer w0.25: U4.17 50.15,10.22 52.27,8.1 52.793,8.1 57.42,8.1 57.445,8.075 60.656,8.075 60.756,8.175 U3.18
NetC2_2: C2.2 C4.2 M1.3 U1.1 U1.3 U2.1 U2.3 | length 21.4
  Top Layer w0.25: M1.3 29.59,38 31.06,36.53 U1.3 31.255,36.05 31.255,35.523 31.468,35.31 32.412,35.31 32.74,35.638 32.74,36.045 U1.1 ; C2.2 32.5,37.95 32.575,37.875 32.625,37.875 32.94,37.56 U1.1 ; C4.2 37.5,37.95 37.06,37.51 U2.3 ; U2.1 38.74,36.045 38.74,35.638 38.412,35.31 37.496,35.31 37.26,35.546 37.26,36.045 U2.3 ; U1.1 U2.3
NetC8_1: C8.1 C17.1 | length 1
  Top Layer w0.25: C17.1 C8.1
NetD1_C: D1.C R3.1 | length 1.6
  Top Layer w0.25: D1.C 56.74,36.31 57,36.05 R3.1
NetM1_4: M1.4 P1.1 R2.1 | length 74
  Top Layer w0.25: M1.4 31.46,29 39.6,29 41.2,30.6 42.2,30.6 43,31.4 43,33.5 45.3,35.8 48.2,35.8 48.65,35.35 P1.1 P1.1@48.75,33.15 ; R2.1 45,7.638 44.988,7.625 44.988,7.007 45.125,6.87 v1(45.125,6.775)
  Top Layer w0.4: v1(48.75,30) P1.1@48.75,33.15
  Bottom Layer w0.25: v1(45.125,6.775) 45.058,6.842 45.058,7.362 44.975,7.445 44.975,7.695 48.451,11.171 55.171,11.171 56.6,12.6 57.5,12.6 58.156,13.256 58.156,16.704 48.75,26.111 v1(48.75,30)
NetM1_5: M1.5 P1.2 | length 26.1
  Top Layer w0.4: M1.5 42.79,26.54 46.65,30.4 P1.2
NetQ1_3: Q1.3 R12.2 | length 4.2
  Top Layer w0.4: Q1.3 69.246,39.06 69.686,39.5 R12.2
NetR4_2: R4.2 U4.44 | length 3.1
  Top Layer w0.25: U4.44 50.15,21.085 50.9,21.835 R4.2
NetR6_1: R6.1 R7.1 U4.34 | length 4.4
  Top Layer w0.25: U4.34 R7.1 58,17.425 58.075,17.5 58.15,17.5 59,18.35 R6.1
NetR8_1: R8.1 R9.2 U4.37 | length 3.7
  Top Layer w0.25: U4.37 53.665,19.82 53.665,22.565 R8.1 R9.2
OSCIN: C8.2 R11.2 U4.5 Y1.2 | length 19.7
  Top Layer w0.25: Y1.2 28.95,18.5 34.2,18.5 34.571,18.129 34.571,17.629 R11.2 38.725,17.5 39.75,16.475 39.75,16.4 39.825,16.325 45.831,16.325 45.846,16.34 45.983,16.34 46.003,16.36 46.705,16.36 U4.5
OSCOUT: C17.2 R11.1 U4.6 Y1.1 | length 19.9
  Top Layer w0.25: Y1.1 29.05,13.4 34.2,13.4 34.671,13.871 34.671,14.471 R11.1 38.825,14.5 39.75,15.425 39.75,15.525 39.825,15.6 39.875,15.6 40.15,15.875 U4.6
PA0: R1.1 R2.2 U4.10 | length 7.4
  Top Layer w0.25: R1.1 R2.2 45,12.7 45.3,13 45.3,13.294 45.866,13.86 46.705,13.86 U4.10
PA3: U4.13
PA8: U4.29
PA15: U4.38
PB0: U4.18
PB1: U4.19
PB2: U4.20
PB3: U4.39
PB4: U4.40
PB5: U4.41
PB6: U4.42
PB7: U4.43
PB8: U4.45
PB9: U4.46
PB10: U4.21
PB11: U4.22
PB12: U4.25
PB13: U4.26
PB14: U4.27
PB15: U4.28
PWM: Q1.1 R10.2 U4.12 | length 64.4
  Top Layer w0.25: U4.12 48.38,12.875 48.53,12.725 v1(48.625,12.725) ; v1(62.1,34.7) 62.1,36.4 R10.2 ; R10.2@62.6,36.5 64.875,36.5 65.05,36.675 Q1.1
  Bottom Layer w0.25: v1(48.625,12.725) 52.759,12.725 54.806,14.772 54.806,19.025 48.631,25.2 43.4,25.2 39.1,29.5 39.1,31.8 42,34.7 v1(62.1,34.7)
RESET: C7.1 R5.1 SW1.2 U4.7 | length 19.4
  Top Layer w0.25: SW1.2 37.6,6.15 41.95,10.5 C7.1 ; R5.1 C7.1 ; U4.7 43.539,15.375 42,13.836 C7.1
RX: JDY-16.19 U4.31 | length 51.1
  Top Layer w0.25: JDY-16.19 15.5,20.498 v1(15.53,20.528) ; U4.31 55.095,15.86 56.07,15.86 56.635,15.295 56.635,15.159 56.933,14.861 56.933,14.567 v1(57,14.5)
  Bottom Layer w0.25: v1(15.53,20.528) 15.53,20.47 23.929,12.071 53.159,12.071 55.588,14.5 v1(57,14.5)
SWDCLK: J2.3 R8.2 | length 35.8
  Top Layer w0.25: v1(47,3.6) J2.3 ; R8.2 v1(56,22.6)
  Bottom Layer w0.25: v1(47,3.6) 52.549,3.6 55.299,6.35 59.45,6.35 61.704,8.604 61.704,16.896 v1(56,22.6)
SWDIO: J2.2 R7.2 | length 26
  Top Layer w0.25: v1(46,3.6) J2.2 ; v1(58.781,16.45) 58.781,16.539 59,16.758 R7.2
  Bottom Layer w0.25: v1(46,3.6) 46,8.084 48.637,10.721 57.721,10.721 58.4,11.4 58.4,12.1 58.9,12.6 58.9,14.418 58.781,14.537 v1(58.781,16.45)
TX: JDY-16.20 U4.30 | length 52.8
  Top Layer w0.25: JDY-16.20 v1(14,20.5) ; U4.30 55.095,15.36 55.934,15.36 56.185,15.109 56.185,14.431 56.916,13.7 v1(57,13.7)
  Bottom Layer w0.25: v1(14,20.5) 22.879,11.621 53.345,11.621 55.424,13.7 v1(57,13.7)
VCC: M1.1
pads on no net: J1.S1 J1.S2 J2.Z1 J2.Z2 JDY-16.2 JDY-16.3 JDY-16.4 JDY-16.5 JDY-16.6 JDY-16.7 JDY-16.8 JDY-16.9 JDY-16.10 JDY-16.11 JDY-16.12 JDY-16.13 JDY-16.14 JDY-16.15 JDY-16.16 JDY-16.17 JDY-16.18 JDY-16.21 JDY-16.22 JDY-16.23 P1.P1 P1.P2 U1.4 U2.4 U3.9 U3.12 U4.2 U4.3 U4.4
copper on no net:
  other v3: 74,39

## Polygon pours and split planes (outlines as drawn)
GND on Bottom Layer "GND_L02_P001" (solid, remove dead copper, pour order 1): 0,0 0,41 76,41 76,0
GND on Top Layer "GND_L01_P002" (solid, remove dead copper, pour order 2): 0,0 0,41 76,41 76,0

## Silkscreen, mask and mechanical layers (free items; w line width, h text height)
Mechanical 1:
  the board outline again, w0.254

## Text inside footprints (layer, text, board x,y; h text height)
J2: Top Overlay "1" at 44.7,3.1 h0.6; Mechanical 13 "1" at 44.7,3.1 h0.6
M1: Top Overlay "TP4056" at 9.225,30.22 h0.6